# KiCad board osprette.kicad_pcb
title: Osprette; date: 2021-09-21; rev: 1; note: By Sam Mohr
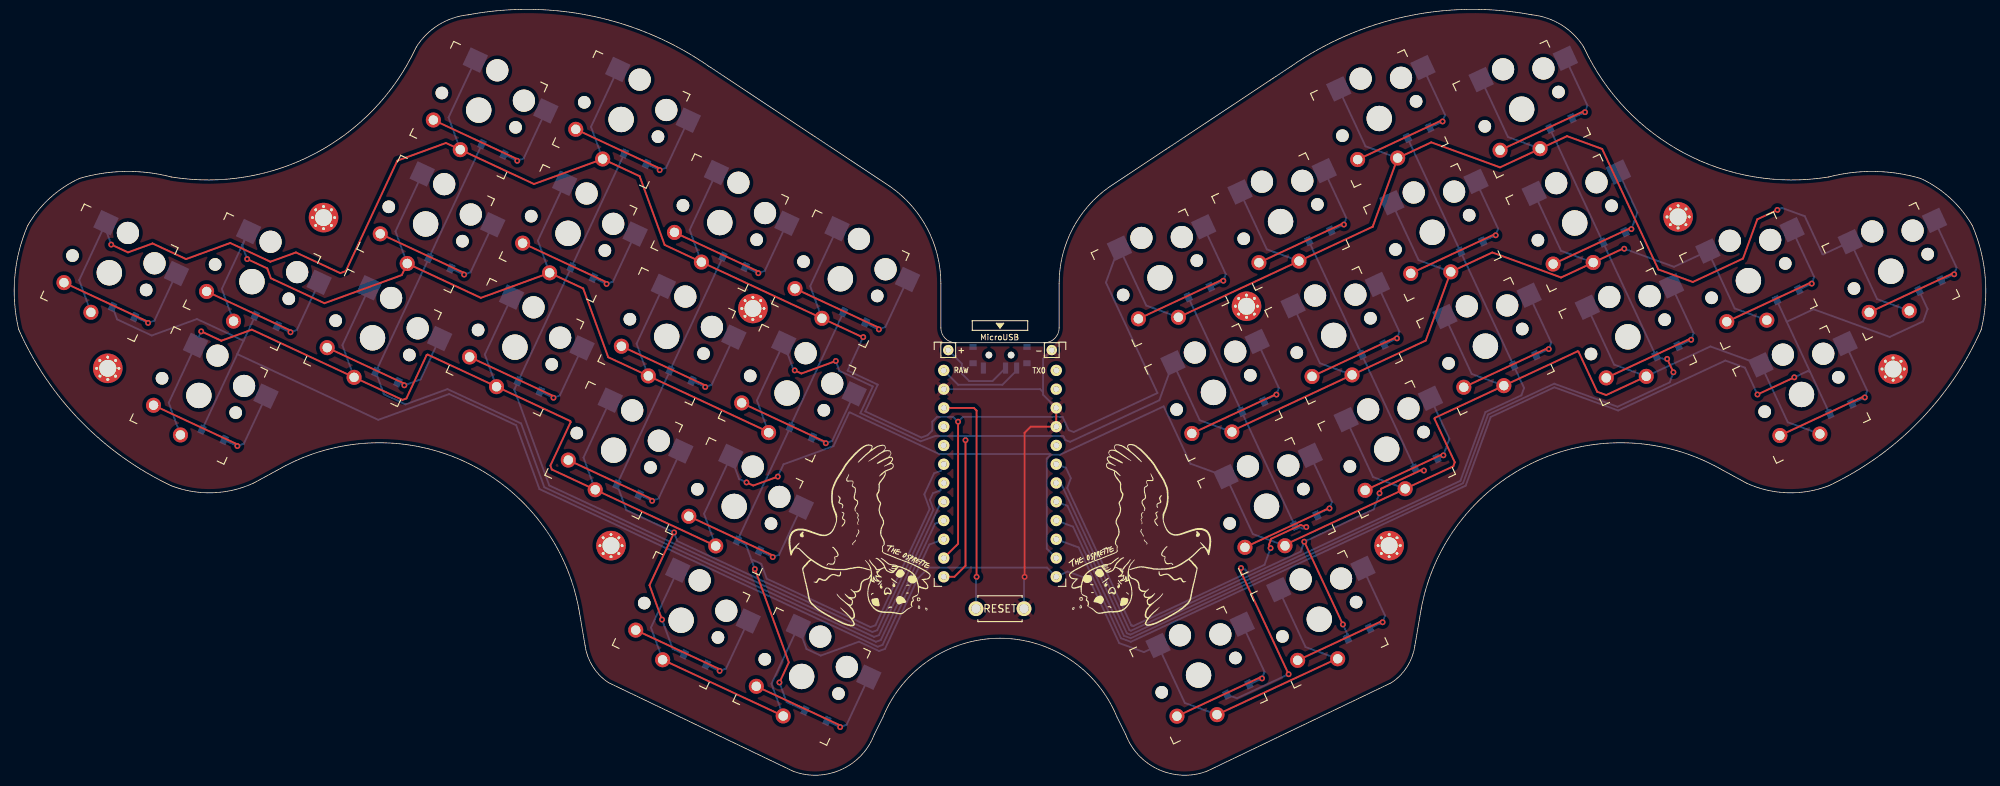
[diagram p0: board, top side]
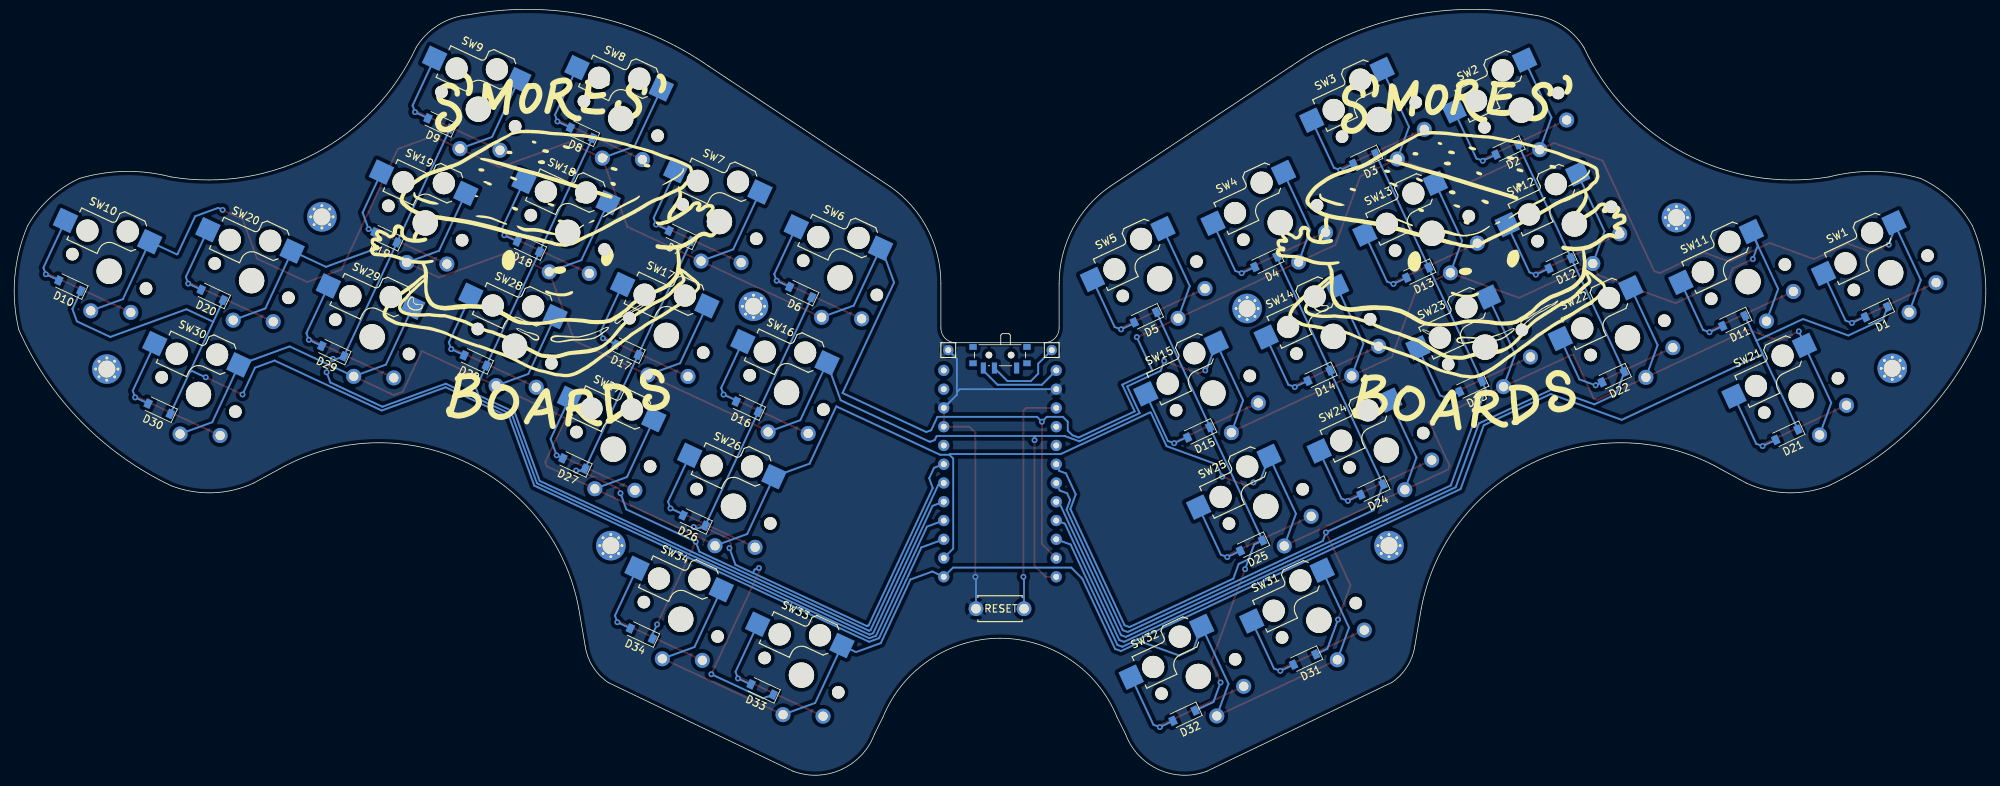
[diagram p1: board, bottom side, seen from below]

Outline 266.8 x 103.67 mm; copper layers: Top, Bottom. Coordinates in mm from the lower left corner of the outline.
Outline path: 0.62,60.31 arc(0.08,67.43) 1.81,74.36 arc(4.82,78.11) 8.83,80.78 arc(15.03,81.72) 21.25,80.98 arc(40.78,84.18) 54.4,98.54 arc(57.42,101.55) 61.46,102.93 arc(78.43,102.71) 94,95.96 118.51,79.7 arc(123.57,73.97) 125.4,66.54 125.4,60.54 arc(125.98,59.13) 127.4,58.54 139.4,58.54 arc(140.81,59.13) 141.4,60.54 141.4,66.54 arc(143.23,73.97) 148.29,79.7 172.8,95.96 arc(188.37,102.71) 205.34,102.93 arc(209.38,101.55) 212.4,98.54 arc(226.02,84.18) 245.55,80.98 arc(251.77,81.72) 257.97,80.78 arc(261.98,78.11) 264.99,74.36 arc(266.72,67.43) 266.18,60.31 arc(257.76,47.89) 245.54,39.18 arc(239.93,38.23) 234.4,39.54 230.07,41.9 arc(205.35,42.22) 190.4,22.54 189.54,17.52 arc(188.5,14.7) 186.4,12.54 161.4,0.54 arc(154.86,0.76) 150.4,5.54 149.23,7.88 arc(142.93,15.61) 133.4,18.54 arc(123.87,15.61) 117.57,7.88 116.4,5.54 arc(111.93,0.76) 105.4,0.54 80.4,12.54 arc(78.3,14.7) 77.26,17.52 76.4,22.54 arc(61.44,42.22) 36.73,41.9 32.4,39.54 arc(26.87,38.23) 21.26,39.18 arc(9.04,47.89) 0.62,60.31

## Placement (name value [footprint] x y rotation side)
+  MountingHole_Pad  [1pin_conn]  126.4 57.54 0 top
-  MountingHole_Pad  [1pin_conn]  140.4 57.54 0 top
D1  1N4148  [D_SOD-123]  14.81 62.69 335 bottom
D2  1N4148  [D_SOD-123]  64.79 84.7 335 bottom
D3  1N4148  [D_SOD-123]  84.06 83.44 335 bottom
D4  1N4148  [D_SOD-123]  97.42 69.49 335 bottom
D5  1N4148  [D_SOD-123]  113.73 61.99 335 bottom
D6  1N4148  [D_SOD-123]  160.36 65.39 25 bottom
D7  1N4148  [D_SOD-123]  176.68 73 25 bottom
D8  1N4148  [D_SOD-123]  190.03 86.95 25 bottom
D9  1N4148  [D_SOD-123]  209.31 88.21 25 bottom
D10  1N4148  [D_SOD-123]  259.26 66.27 25 bottom
D11  1N4148  [D_SOD-123]  34.11 61.49 335 bottom
D12  1N4148  [D_SOD-123]  57.61 69.29 335 bottom
D13  1N4148  [D_SOD-123]  76.88 68.03 335 bottom
D14  1N4148  [D_SOD-123]  90.23 54.08 335 bottom
D15  1N4148  [D_SOD-123]  106.52 46.41 335 bottom
D16  1N4148  [D_SOD-123]  167.6 49.88 25 bottom
D17  1N4148  [D_SOD-123]  183.86 57.59 25 bottom
D18  1N4148  [D_SOD-123]  197.22 71.54 25 bottom
D19  1N4148  [D_SOD-123]  216.49 72.81 25 bottom
D20  1N4148  [D_SOD-123]  239.99 65.01 25 bottom
D21  1N4148  [D_SOD-123]  26.93 46.09 335 bottom
D22  1N4148  [D_SOD-123]  50.42 53.89 335 bottom
D23  1N4148  [D_SOD-123]  69.7 52.62 335 bottom
D24  1N4148  [D_SOD-123]  83.07 38.66 335 bottom
D25  1N4148  [D_SOD-123]  99.36 31.06 335 bottom
D26  1N4148  [D_SOD-123]  174.78 34.47 25 bottom
D27  1N4148  [D_SOD-123]  191.05 42.19 25 bottom
D28  1N4148  [D_SOD-123]  204.4 56.14 25 bottom
D29  1N4148  [D_SOD-123]  223.67 57.4 25 bottom
D30  1N4148  [D_SOD-123]  247.17 49.6 25 bottom
D31  1N4148  [D_SOD-123]  92.18 15.66 335 bottom
D32  1N4148  [D_SOD-123]  108.49 8.05 335 bottom
D33  1N4148  [D_SOD-123]  165.58 11.61 25 bottom
D34  1N4148  [D_SOD-123]  181.92 19.17 25 bottom
G***  LOGO  [bird]  152.64 32.78 0 top
G***#2  LOGO  [osprette_title]  145.79 29.66 22 top
G***#3  LOGO  [bird]  114.12 32.72 0 top
G***#4  LOGO  [osprette_title]  120.98 29.6 338 top
G***#5  LOGO  [smores]  73.34 68.96 180 bottom
G***#6  LOGO  [smores]  195.92 69.14 180 bottom
Ref**  Val**  [M2_HOLE_v3]  186.06 31.07 0 top
Ref**#2  Val**  [M2_HOLE_v3]  41.86 75.47 0 top
Ref**#3  Val**  [M2_HOLE_v3]  225.16 75.57 0 top
Ref**#4  Val**  [M2_HOLE_v3]  166.76 63.47 0 top
Ref**#5  Val**  [M2_HOLE_v3]  12.66 55.07 0 top
Ref**#6  Val**  [M2_HOLE_v3]  99.96 63.17 0 top
Ref**#7  Val**  [M2_HOLE_v3]  254.26 54.97 0 top
Ref**#8  Val**  [M2_HOLE_v3]  80.76 31.07 0 top
SW1  SW_Push  [Kailh_socket_PG1350_optional]  12.87 68.01 335 top
SW2  SW_Push  [Kailh_socket_PG1350_optional]  62.86 90.02 335 top
SW3  SW_Push  [Kailh_socket_PG1350_optional]  82.13 88.75 335 top
SW4  SW_Push  [Kailh_socket_PG1350_optional]  95.48 74.8 335 top
SW5  SW_Push  [Kailh_socket_PG1350_optional]  111.8 67.19 335 top
SW6  SW_Push  [Kailh_socket_PG1350_optional]  155.05 67.33 25 top
SW7  SW_Push  [Kailh_socket_PG1350_optional]  171.36 74.94 25 top
SW8  SW_Push  [Kailh_socket_PG1350_optional]  184.72 88.89 25 top
SW9  SW_Push  [Kailh_socket_PG1350_optional]  203.99 90.15 25 top
SW10  SW_Push  [Kailh_socket_PG1350_optional]  253.94 68.21 25 top
SW11  SW_Push  [Kailh_socket_PG1350_optional]  32.18 66.81 335 top
SW12  SW_Push  [Kailh_socket_PG1350_optional]  55.67 74.61 335 top
SW13  SW_Push  [Kailh_socket_PG1350_optional]  74.94 73.35 335 top
SW14  SW_Push  [Kailh_socket_PG1350_optional]  88.3 59.39 335 top
SW15  SW_Push  [Kailh_socket_PG1350_optional]  104.58 51.72 335 top
SW16  SW_Push  [Kailh_socket_PG1350_optional]  162.28 51.81 25 top
SW17  SW_Push  [Kailh_socket_PG1350_optional]  178.55 59.53 25 top
SW18  SW_Push  [Kailh_socket_PG1350_optional]  191.9 73.48 25 top
SW19  SW_Push  [Kailh_socket_PG1350_optional]  211.17 74.74 25 top
SW20  SW_Push  [Kailh_socket_PG1350_optional]  234.67 66.94 25 top
SW21  SW_Push  [Kailh_socket_PG1350_optional]  24.99 51.4 335 top
SW22  SW_Push  [Kailh_socket_PG1350_optional]  48.49 59.2 335 top
SW23  SW_Push  [Kailh_socket_PG1350_optional]  67.76 57.94 335 top
SW24  SW_Push  [Kailh_socket_PG1350_optional]  81.12 43.99 335 top
SW25  SW_Push  [Kailh_socket_PG1350_optional]  97.43 36.38 335 top
SW26  SW_Push  [Kailh_socket_PG1350_optional]  169.47 36.41 25 top
SW27  SW_Push  [Kailh_socket_PG1350_optional]  185.73 44.12 25 top
SW28  SW_Push  [Kailh_socket_PG1350_optional]  199.09 58.07 25 top
SW29  SW_Push  [Kailh_socket_PG1350_optional]  218.36 59.34 25 top
SW30  SW_Push  [Kailh_socket_PG1350_optional]  241.86 51.54 25 top
SW31  SW_Push  [Kailh_socket_PG1350_optional]  90.24 20.97 335 top
SW32  SW_Push  [Kailh_socket_PG1350_optional]  106.56 13.37 335 top
SW33  SW_Push  [Kailh_socket_PG1350_optional]  160.27 13.54 25 top
SW34  SW_Push  [Kailh_socket_PG1350_optional]  176.6 21.11 25 top
SW35  SW_Push  [ResetSW]  133.4 22.54 180 top
SW36  SW_SPDT  [SW_SPDT_PCM12]  133.4 56.54 0 bottom
U1  ProMicro_r  [ProMicro_v3.5]  133.4 40.32 0 top

## Footprints (pads in the part's own frame, mm; a bottom-side part is the same pattern mirrored in y, then rotated)
1pin_conn
  round 1.397 hole 0.813: 1(0,0)
D_SOD-123
  rect 0.9x1.2 smd: 1(-1.65,0) 2(1.65,0)
Kailh_socket_PG1350_optional
  round 1.702 hole 1.702 unplated: (-5.5,0) (5.5,0)
  round 3 hole 3 unplated: (0,5.95) (5,3.75)
  round 3.429 hole 3.429 unplated: (0,0)
  rect 2.6x2.6 smd far side: 1(-3.275,5.95) 2(8.275,3.75)
  round 2.032 hole 1.27: 1(0,-5.9) 2(-5,-3.8)
M2_HOLE_v3
  round 0.5 hole 0.4: 1(-1.5,0) 1(-1.06,1.06) 1(-1.06,-1.06) 1(0,1.5) 1(0,-1.5) 1(1.06,1.06) 1(1.06,-1.06) 1(1.5,0)
  round 4 hole 2.3: 1(0,0)
ProMicro_v3.5
  round 1.524 hole 0.813: 1(7.611,14.478) 2(7.611,11.938) 3(7.611,9.398) 4(7.611,6.858) 5(7.611,4.318) 6(7.611,1.778) 7(7.611,-0.762) 8(7.611,-3.302) 9(7.611,-5.842) 10(7.611,-8.382) 11(7.611,-10.922) 12(7.611,-13.462) 13(-7.609,-13.462) 14(-7.609,-10.922) 15(-7.609,-8.382) 16(-7.609,-5.842) 17(-7.609,-3.302) 18(-7.609,-0.762) 19(-7.609,1.778) 20(-7.609,4.318) 21(-7.609,6.858) 22(-7.609,9.398) 23(-7.609,11.938) 24(-7.609,14.478)
ResetSW
  round 2 hole 1.3: 1(3.25,0) 2(-3.25,0)
SW_SPDT_PCM12
  rect 1x0.8 smd: (-3.65,-1.43) (-3.65,0.78) (3.65,-1.43) (3.65,0.78)
  round 0.9 hole 0.9 unplated: (-1.5,-0.33) (1.5,-0.33)
  rect 0.7x1.5 smd: 1(-2.25,1.43) 2(0.75,1.43) 3(2.25,1.43)

## Nets
gnd: -.1 SW35.2 U1.3 U1.4 U1.23
bat+: +.1 SW36.2
col_0: D1.1 D11.1 D21.1 U1.15
col_1: D2.1 D12.1 D22.1 U1.16
col_2: D3.1 D13.1 D23.1 U1.17
col_3: D4.1 D14.1 D24.1 D31.1 U1.18
col_4: D5.1 D15.1 D25.1 D32.1 U1.19
col_5: D6.1 D16.1 D26.1 D33.1 U1.6
col_6: D7.1 D17.1 D27.1 D34.1 U1.7
col_7: D8.1 D18.1 D28.1 U1.8
col_8: D9.1 D19.1 D29.1 U1.9
col_9: D10.1 D20.1 D30.1 U1.10
raw: SW36.3 U1.24
reset: SW35.1 U1.22
row_0: SW1.1 SW2.1 SW3.1 SW4.1 SW5.1 SW6.1 SW7.1 SW8.1 SW9.1 SW10.1 U1.14
row_1: SW11.1 SW12.1 SW13.1 SW14.1 SW15.1 SW16.1 SW17.1 SW18.1 SW19.1 SW20.1 U1.13
row_2: SW21.1 SW22.1 SW23.1 SW24.1 SW25.1 SW26.1 SW27.1 SW28.1 SW29.1 SW30.1 U1.11
row_3: SW31.1 SW32.1 SW33.1 SW34.1 U1.12
Net-(D1-Pad2): D1.2 SW1.2
Net-(D2-Pad2): D2.2 SW2.2
Net-(D3-Pad2): D3.2 SW3.2
Net-(D4-Pad2): D4.2 SW4.2
Net-(D5-Pad2): D5.2 SW5.2
Net-(D6-Pad2): D6.2 SW6.2
Net-(D7-Pad2): D7.2 SW7.2
Net-(D8-Pad2): D8.2 SW8.2
Net-(D9-Pad2): D9.2 SW9.2
Net-(D10-Pad2): D10.2 SW10.2
Net-(D11-Pad2): D11.2 SW11.2
Net-(D12-Pad2): D12.2 SW12.2
Net-(D13-Pad2): D13.2 SW13.2
Net-(D14-Pad2): D14.2 SW14.2
Net-(D15-Pad2): D15.2 SW15.2
Net-(D16-Pad2): D16.2 SW16.2
Net-(D17-Pad2): D17.2 SW17.2
Net-(D18-Pad2): D18.2 SW18.2
Net-(D19-Pad2): D19.2 SW19.2
Net-(D20-Pad2): D20.2 SW20.2
Net-(D21-Pad2): D21.2 SW21.2
Net-(D22-Pad2): D22.2 SW22.2
Net-(D23-Pad2): D23.2 SW23.2
Net-(D24-Pad2): D24.2 SW24.2
Net-(D25-Pad2): D25.2 SW25.2
Net-(D26-Pad2): D26.2 SW26.2
Net-(D27-Pad2): D27.2 SW27.2
Net-(D28-Pad2): D28.2 SW28.2
Net-(D29-Pad2): D29.2 SW29.2
Net-(D30-Pad2): D30.2 SW30.2
Net-(D31-Pad2): D31.2 SW31.2
Net-(D32-Pad2): D32.2 SW32.2
Net-(D33-Pad2): D33.2 SW33.2
Net-(D34-Pad2): D34.2 SW34.2

Pads without a net: Ref** 1; Ref**#2 1; Ref**#3 1; Ref**#4 1; Ref**#5 1; Ref**#6 1; Ref**#7 1; Ref**#8 1; SW36 1; U1 1 2 5 20 21

## Via types
v1: diameter 0.8, hole 0.4, Top to Bottom, 64 vias

## Routing (per net, layer and track width the routed paths; a pad name or vN(x,y) marks a point on that pad's centre or on a via; arc(x,y) is an arc through that point)
gnd: length 53.7
  Top w0.25: v1(136.73,26.85) 136.73,46.35 137.55,47.17 U1.4 U1.3
  Bottom w0.25: 139.23,51.85 139.23,51.49 U1.3 ; 139.23,51.85 139.23,56.37 -.1 ; 139.23,51.85 138.83,52.25 U1.23 ; v1(136.73,26.85) 136.65,26.77 SW35.2
bat+: length 11
  Bottom w0.25: SW36.2 132.39,53.35 129.23,53.35 128.23,54.35 128.23,55.71 +.1
col_0: length 156.2
  Bottom w0.25: D1.1 13.93,61.7 18.61,59.52 24.73,61.75 31.04,58.81 ; 31.04,58.81 D11.1 ; 31.04,58.81 30.19,56.99 ; U1.15 123.85,31.23 117.51,17.63 116.84,17.39 71.08,38.73 67.93,47.37 58.87,51.6 49.26,48.1 30.19,56.99 ; 30.19,56.99 D21.1
col_1: length 135.5
  Bottom w0.25: D2.1 D12.1 D22.1 50.03,51.56 52.96,50.2 58.63,52.26 68.6,47.61 71.74,38.97 116.6,18.05 117.27,18.3 124.61,34.04 U1.16
col_2: length 118.5
  Bottom w0.25: D3.1 D13.1 D23.1 67.68,52.2 72.4,39.22 116.36,18.72 117.02,18.96 125.37,36.86 U1.17
col_3: length 117.3
  Top w0.25: v1(89.3,32.86) 85.97,25.72 v1(87.66,21.07)
  Bottom w0.25: U1.18 125.31,38.53 124.33,38.17 123.91,37.27 124.39,35.94 116.78,19.63 116.12,19.38 89.73,31.69 v1(89.3,32.86) 82.84,35.87 D24.1 88.75,54.75 D14.1 D4.1 ; D31.1 89.11,17.09 v1(87.66,21.07)
col_4: length 105.3
  Top w0.25: v1(103.55,12.55) 104.82,15.27 v1(100.23,27.9)
  Bottom w0.25: 99.74,29.23 101.1,28.59 101.83,26.6 115.88,20.05 116.54,20.29 123.88,36.03 123.15,38.02 124.48,40.86 125.37,41.19 U1.19 ; 99.74,29.23 99.02,31.23 D25.1 D15.1 105,47.17 D5.1 ; 99.74,29.23 v1(100.23,27.9) ; D32.1 104.52,9.9 v1(103.55,12.55)
col_5: length 116.1
  Top w0.25: v1(166.02,28.04) 165.9,27.72 v1(172.46,13.67) ; v1(174.85,33.59) 174.09,33.87 173.96,33.81 170.1,32.01 169.8,31.19 v1(170.01,30.74)
  Bottom w0.25: 151.42,20.19 166.83,27.37 ; 151.42,20.19 151.17,20.28 151.16,20.29 ; 151.42,20.19 151.47,20.21 151.16,20.29 ; 166.83,27.37 169.19,28.48 v1(170.01,30.74) ; 166.83,27.37 166.61,27.83 v1(166.02,28.04) ; D6.1 D16.1 D26.1 174.38,33.37 v1(174.85,33.59) ; v1(172.46,13.67) 165.46,10.41 D33.1 ; 151.16,20.29 142.5,38.87 142.98,40.2 142.32,41.62 U1.6
col_6: length 119.2
  Top w0.25: v1(190.76,41.24) 190.48,41.34 184.98,38.78 v1(184.76,38.17) ; v1(174.57,31.61) v1(179.8,20.41)
  Bottom w0.25: U1.7 141.76,39.28 150.92,19.63 151.12,19.56 174.08,30.26 v1(174.57,31.61) 183.96,35.99 v1(184.76,38.17) ; D7.1 D17.1 D27.1 190.54,41.13 ; 190.54,41.13 v1(190.76,41.24) 190.54,41.13 ; D34.1 180.54,18.81 v1(179.8,20.41)
col_7: length 124.1
  Bottom w0.25: U1.8 142.52,36.46 150.56,19.21 151.06,19.03 195.7,39.85 199.09,49.15 203.95,51.42 204.32,52.42 D28.1 D18.1 D8.1
col_8: length 145.1
  Top w0.25: v1(224.53,54.54) v1(223.68,56.35)
  Bottom w0.25: D9.1 D19.1 D29.1 223.45,56.24 v1(223.68,56.35) ; v1(224.53,54.54) 224.03,53.17 223.18,52.77 216.96,49.87 208.39,52.99 199.44,48.82 196.06,39.52 151.08,18.54 150.17,18.88 143.28,33.65 U1.9
col_9: length 168.9
  Top w0.25: v1(235.9,51.53) v1(240.88,53.86)
  Bottom w0.25: D20.1 239.86,61.38 ; 239.86,61.38 243.03,54.58 ; 239.86,61.38 243.49,63.07 253.78,59.32 258.32,61.43 258.92,63.09 D10.1 ; 243.03,54.58 D30.1 ; 243.03,54.58 242.7,54.7 v1(240.88,53.86) ; v1(235.9,51.53) 234.21,55.16 231.55,56.12 217.05,49.36 208.41,52.51 199.8,48.49 196.42,39.19 195.96,38.98 151.1,18.06 149.77,18.54 144.04,30.83 U1.10
raw: length 11.8
  Bottom w0.25: SW36.3 135.65,54.77 133.73,52.85 127.73,52.85 U1.24
reset: length 31.4
  Top w0.25: v1(130.23,26.85) 130.23,49.35 129.87,49.71 U1.22
  Bottom w0.25: SW35.1 130.15,26.77 v1(130.23,26.85)
row_0: length 482.4
  Top w0.25: U1.14 127.73,31.33 v1(127.73,47.85) ; v1(238.6,76.51) 235.88,75.24 233.94,69.93 227.14,66.76 222.49,68.45 214.89,84.77 210.12,86.5 SW9.1 201.06,82.27 191.76,85.66 SW8.1 183.83,74.26 183.84,74.24 SW7.1 SW6.1 ; v1(13.13,71.82) 15.4,70.76 18.72,71.97 23.25,69.86 29.23,72.04 34.67,69.5 38.12,70.76 44.13,67.96 44.87,68.23 51.84,83.18 58.42,85.57 SW2.1 70.33,80.02 SW3.1 84.64,81.07 88.02,71.77 SW4.1 SW5.1 114.82,59.27 v1(114.89,59.3)
  Bottom w0.25: SW4.1 91.41,73.81 SW4.1 ; SW6.1 153.19,63.57 SW6.1 149.39,71.26 147.73,66.69 154.71,51.74 143.38,46.45 142.71,46.7 141.87,48.51 128.39,48.51 v1(127.73,47.85) 127.07,48.51 124.89,48.51 124.23,47.85 124.23,46.65 123.59,46.01 122.75,45.7 115.17,49.24 116.86,52.86 112.78,54.77 v1(114.89,59.3) ; SW8.1 182.86,85.12 SW8.1 ; SW3.1 78.05,87.76 SW3.1 ; SW2.1 58.78,89.02 SW2.1 ; SW5.1 107.72,66.2 SW5.1 ; v1(13.13,71.82) 12.21,74.34 SW1.1 8.8,67.01 SW1.1 ; v1(238.6,76.51) 239.19,76.79 242.3,75.66 244.7,70.53 244.78,70.5 SW10.1 252.09,64.44 SW10.1 ; SW9.1 202.13,86.39 SW9.1 ; SW7.1 169.5,71.17 SW7.1
row_1: length 387.9
  Top w0.25: SW16.1 164.84,46.62 SW17.1 191.01,58.83 SW18.1 200.02,70.75 209.32,67.37 SW19.1 217.76,71.3 v1(217.87,71.26) ; v1(128.73,45.35) 128.73,28.35 127.23,26.85 U1.13 ; v1(31.53,69.86) 34.25,68.6 34.73,67.27 35.18,67.06 41.98,63.89 52.45,67.7 SW12.1 63.15,64.61 SW13.1 77,65.88 80.38,56.58 SW14.1 102.06,46.47 SW15.1 ; v1(105.62,54.79) 106.53,54.37 v1(111.18,56.06)
  Bottom w0.25: v1(111.18,56.06) 111.66,54.74 116.19,52.62 114.5,49 122.66,45.19 124.65,45.92 128.66,45.92 ; SW20.1 232.81,63.18 SW20.1 224.6,68.81 v1(217.87,71.26) ; SW18.1 190.04,69.72 SW18.1 ; SW16.1 160.43,48.05 SW16.1 154.96,50.75 142.89,45.13 142.23,45.37 142.02,45.82 141.92,45.92 128.66,45.92 ; 128.66,45.92 128.73,45.85 v1(128.73,45.35) ; SW17.1 176.69,55.77 SW17.1 ; SW14.1 84.22,58.4 SW14.1 ; SW13.1 70.87,72.35 SW13.1 ; v1(31.53,69.86) 30.85,71.72 SW11.1 28.1,65.81 SW11.1 ; SW12.1 51.6,73.61 SW12.1 ; SW19.1 209.32,70.98 SW19.1 ; SW15.1 100.51,50.73 SW15.1 105.45,54.87 v1(105.62,54.79)
row_2: length 404.9
  Top w0.25: SW26.1 172.02,31.22 SW27.1 194.74,41.81 194.94,42.36 192.19,48.25 192.23,48.37 SW28.1 211.56,57.38 211.68,57.34 214.21,51.9 215.43,51.46 SW29.1 ; v1(99.1,39.63) 100.01,39.21 v1(103.33,40.42) ; SW25.1 SW24.1 72.75,41.38 72.55,41.9 75.3,47.8 75.25,47.94 SW23.1 55.96,56.93 55.82,56.88 53.07,50.99 52.54,50.8 SW22.1 32.15,60.31 28.03,58.81 v1(25.31,60.07)
  Bottom w0.25: v1(103.33,40.42) 104.11,42.08 110.86,44.54 112.97,49.07 113.08,49.11 125.17,43.47 140.15,43.47 140.25,43.37 ; SW28.1 197.23,54.31 SW28.1 ; 140.25,43.37 141.5,43.37 155.55,49.92 159.17,42.17 SW26.1 167.61,32.64 SW26.1 ; 140.25,43.37 139.73,42.85 139.73,30.67 U1.11 ; SW22.1 44.41,58.21 SW22.1 ; SW23.1 63.68,56.94 SW23.1 ; SW29.1 216.5,55.57 SW29.1 229.53,58.03 SW30.1 240,47.77 SW30.1 ; SW27.1 183.87,40.36 SW27.1 ; SW24.1 77.04,42.99 SW24.1 ; v1(99.1,39.63) 98.09,40.1 SW25.1 93.35,35.39 SW25.1 ; v1(25.31,60.07) 24.49,58.32 SW21.1 20.91,50.41 SW21.1
row_3: length 154
  Top w0.25: SW33.1 179.03,15.78 SW34.1 ; SW31.1 SW32.1
  Bottom w0.25: SW31.1 86.17,19.98 SW31.1 ; SW32.1 102.48,12.37 SW32.1 107.22,17.09 109.14,16.19 114.31,18.08 117.03,16.81 117.83,17.1 122.27,26.62 123.76,28.1 139.76,28.1 U1.12 142.55,27.57 145.52,26.49 149.53,17.88 152.87,16.66 SW33.1 158.41,9.78 SW33.1 ; SW34.1 174.74,17.34 SW34.1
Net-(D1-Pad2): length 22.6
  Top w0.25: SW1.2 18.05,61.4 v1(18.12,61.22)
  Bottom w0.25: D1.2 16.39,62.03 v1(18.12,61.22) 18.99,61.54 21.96,67.91
Net-(D2-Pad2): length 22.7
  Top w0.25: SW2.2 67.97,83.44 v1(68.07,83.16)
  Bottom w0.25: SW2.2 68.94,83.48 v1(68.07,83.16) 66.29,84 D2.2
Net-(D3-Pad2): length 22.7
  Top w0.25: SW3.2 87.24,82.17 v1(87.34,81.9)
  Bottom w0.25: SW3.2 88.21,82.22 v1(87.34,81.9) 85.56,82.73 D3.2
Net-(D4-Pad2): length 22.7
  Top w0.25: SW4.2 100.6,68.22 v1(100.7,67.95)
  Bottom w0.25: D4.2 98.92,68.78 v1(100.7,67.95) 101.57,68.27 SW4.2
Net-(D5-Pad2): length 22.8
  Top w0.25: SW5.2 116.91,60.62 v1(117.01,60.34)
  Bottom w0.25: SW5.2 117.88,60.66 v1(117.01,60.34) 115.28,61.15 D5.2
Net-(D6-Pad2): length 22.6
  Top w0.25: v1(163.62,66.93) 163.38,67.02 SW6.2
  Bottom w0.25: D6.2 161.87,66.11 v1(163.62,66.93) 163.95,67.83 SW6.2
Net-(D7-Pad2): length 22.6
  Top w0.25: SW7.2 179.69,74.63 v1(179.93,74.54)
  Bottom w0.25: D7.2 178.18,73.72 v1(179.93,74.54) 180.26,75.43 SW7.2
Net-(D8-Pad2): length 22.6
  Top w0.25: SW8.2 193.04,88.58 v1(193.29,88.49)
  Bottom w0.25: SW8.2 193.62,89.38 v1(193.29,88.49) 191.54,87.67 D8.2
Net-(D9-Pad2): length 22.6
  Top w0.25: SW9.2 212.32,89.84 v1(212.56,89.75)
  Bottom w0.25: D9.2 210.81,88.93 v1(212.56,89.75) 212.89,90.65 SW9.2
Net-(D10-Pad2): length 22.6
  Top w0.25: v1(262.52,67.81) 262.27,67.89 SW10.2
  Bottom w0.25: D10.2 260.76,66.99 v1(262.52,67.81) 262.84,68.7 SW10.2
Net-(D11-Pad2): length 22.7
  Top w0.25: SW11.2 37.29,60.23 v1(37.39,59.96)
  Bottom w0.25: SW11.2 38.26,60.27 v1(37.39,59.96) 35.61,60.79 D11.2
Net-(D12-Pad2): length 22.7
  Top w0.25: v1(60.89,67.76) 60.79,68.03 SW12.2
  Bottom w0.25: SW12.2 61.76,68.07 v1(60.89,67.76) 59.11,68.59 D12.2
Net-(D13-Pad2): length 22.7
  Top w0.25: v1(80.16,66.49) 80.06,66.77 SW13.2
  Bottom w0.25: SW13.2 81.03,66.81 v1(80.16,66.49) 78.38,67.33 D13.2
Net-(D14-Pad2): length 22.7
  Top w0.25: v1(93.51,52.54) 93.42,52.82 SW14.2
  Bottom w0.25: D14.2 91.73,53.37 v1(93.51,52.54) 94.38,52.86 SW14.2
Net-(D15-Pad2): length 22.6
  Top w0.25: SW15.2 109.76,45.11 v1(109.83,44.94)
  Bottom w0.25: SW15.2 110.7,45.25 v1(109.83,44.94) 108.1,45.74 D15.2
Net-(D16-Pad2): length 22.5
  Top w0.25: v1(170.81,51.52) 170.72,51.55 SW16.2
  Bottom w0.25: SW16.2 171.13,52.42 v1(170.81,51.52) 169.16,50.75 D16.2
Net-(D17-Pad2): length 22.6
  Top w0.25: SW17.2 186.87,59.22 v1(187.12,59.13)
  Bottom w0.25: D17.2 185.37,58.31 v1(187.12,59.13) 187.45,60.03 SW17.2
Net-(D18-Pad2): length 22.6
  Top w0.25: v1(200.47,73.08) 200.23,73.17 SW18.2
  Bottom w0.25: D18.2 198.72,72.26 v1(200.47,73.08) 200.8,73.98 SW18.2
Net-(D19-Pad2): length 21.1
  Top w0.25: v1(218.84,73.92) 218.59,74.01 SW19.2
  Bottom w0.25: D19.2 217.99,73.52 v1(218.84,73.92) 219.65,76.15 SW19.2
Net-(D20-Pad2): length 22.6
  Top w0.25: SW20.2 243,66.63 v1(243.24,66.54)
  Bottom w0.25: SW20.2 243.57,67.44 v1(243.24,66.54) 241.49,65.72 D20.2
Net-(D21-Pad2): length 22.7
  Top w0.25: SW21.2 30.11,44.82 v1(30.21,44.55)
  Bottom w0.25: SW21.2 31.07,44.87 v1(30.21,44.55) 28.42,45.38 D21.2
Net-(D22-Pad2): length 21.1
  Top w0.25: v1(52.8,52.77) 52.7,53.05 SW22.2
  Bottom w0.25: D22.2 51.92,53.18 v1(52.8,52.77) 54.99,53.57 SW22.2
Net-(D23-Pad2): length 22.7
  Top w0.25: SW23.2 72.88,51.36 v1(72.97,51.09)
  Bottom w0.25: SW23.2 73.84,51.4 v1(72.97,51.09) 71.19,51.92 D23.2
Net-(D24-Pad2): length 22.7
  Top w0.25: SW24.2 86.23,37.41 v1(86.33,37.14)
  Bottom w0.25: SW24.2 87.2,37.45 v1(86.33,37.14) D24.2
Net-(D25-Pad2): length 22.7
  Top w0.25: SW25.2 102.54,29.8 v1(102.64,29.53)
  Bottom w0.25: SW25.2 103.51,29.85 v1(102.64,29.53) 100.86,30.36 D25.2
Net-(D26-Pad2): length 22.5
  Top w0.25: v1(177.99,36.11) 177.9,36.15 SW26.2
  Bottom w0.25: D26.2 176.35,35.35 v1(177.99,36.11) 178.32,37.01 SW26.2
Net-(D27-Pad2): length 21.1
  Top w0.25: SW27.2 193.15,43.39 v1(193.4,43.3)
  Bottom w0.25: D27.2 192.55,42.9 v1(193.4,43.3) 194.21,45.52 SW27.2
Net-(D28-Pad2): length 22.6
  Top w0.25: v1(207.66,57.67) 207.41,57.76 SW28.2
  Bottom w0.25: D28.2 205.91,56.85 v1(207.66,57.67) 207.99,58.57 SW28.2
Net-(D29-Pad2): length 22.6
  Top w0.25: SW29.2 226.68,59.02 v1(226.93,58.94)
  Bottom w0.25: D29.2 225.18,58.12 v1(226.93,58.94) 227.26,59.83 SW29.2
Net-(D30-Pad2): length 22.6
  Top w0.25: SW30.2 250.18,51.22 v1(250.43,51.14)
  Bottom w0.25: SW30.2 250.76,52.03 v1(250.43,51.14) 248.68,50.32 D30.2
Net-(D31-Pad2): length 22.7
  Top w0.25: v1(95.46,14.12) 95.36,14.39 SW31.2
  Bottom w0.25: SW31.2 96.33,14.44 v1(95.46,14.12) 93.68,14.95 D31.2
Net-(D32-Pad2): length 22.7
  Top w0.25: v1(111.77,6.51) 111.67,6.79 SW32.2
  Bottom w0.25: D32.2 109.99,7.35 v1(111.77,6.51) 112.64,6.83 SW32.2
Net-(D33-Pad2): length 22.7
  Top w0.25: SW33.2 168.55,13.21 v1(168.86,13.1)
  Bottom w0.25: D33.2 167.13,12.29 v1(168.86,13.1) 169.19,14 SW33.2
Net-(D34-Pad2): length 22.6
  Top w0.25: v1(185.17,20.71) 184.93,20.8 SW34.2
  Bottom w0.25: SW34.2 185.5,21.6 v1(185.17,20.71) 183.42,19.89 D34.2

## Copper pours and planes (outline as drawn; the poured copper is in the pictures)
gnd on Top: 269.66,-43.53 -3.34,-43.53 -3.34,142.47 269.66,142.37
gnd on Bottom: 269.66,-43.53 -3.34,-43.53 -3.34,141.97 269.66,142.47
